# Altium PCB PCB1.PcbDoc (part 1 of 2)
Units mil, origin at the board's own origin, x right, y up, seen from the top; angles counter-clockwise.
Board outline 2320 x 1970 mil, 2 copper layers (Top Layer, Bottom Layer); 95 components, 145 nets, 507 pads, 282 vias.
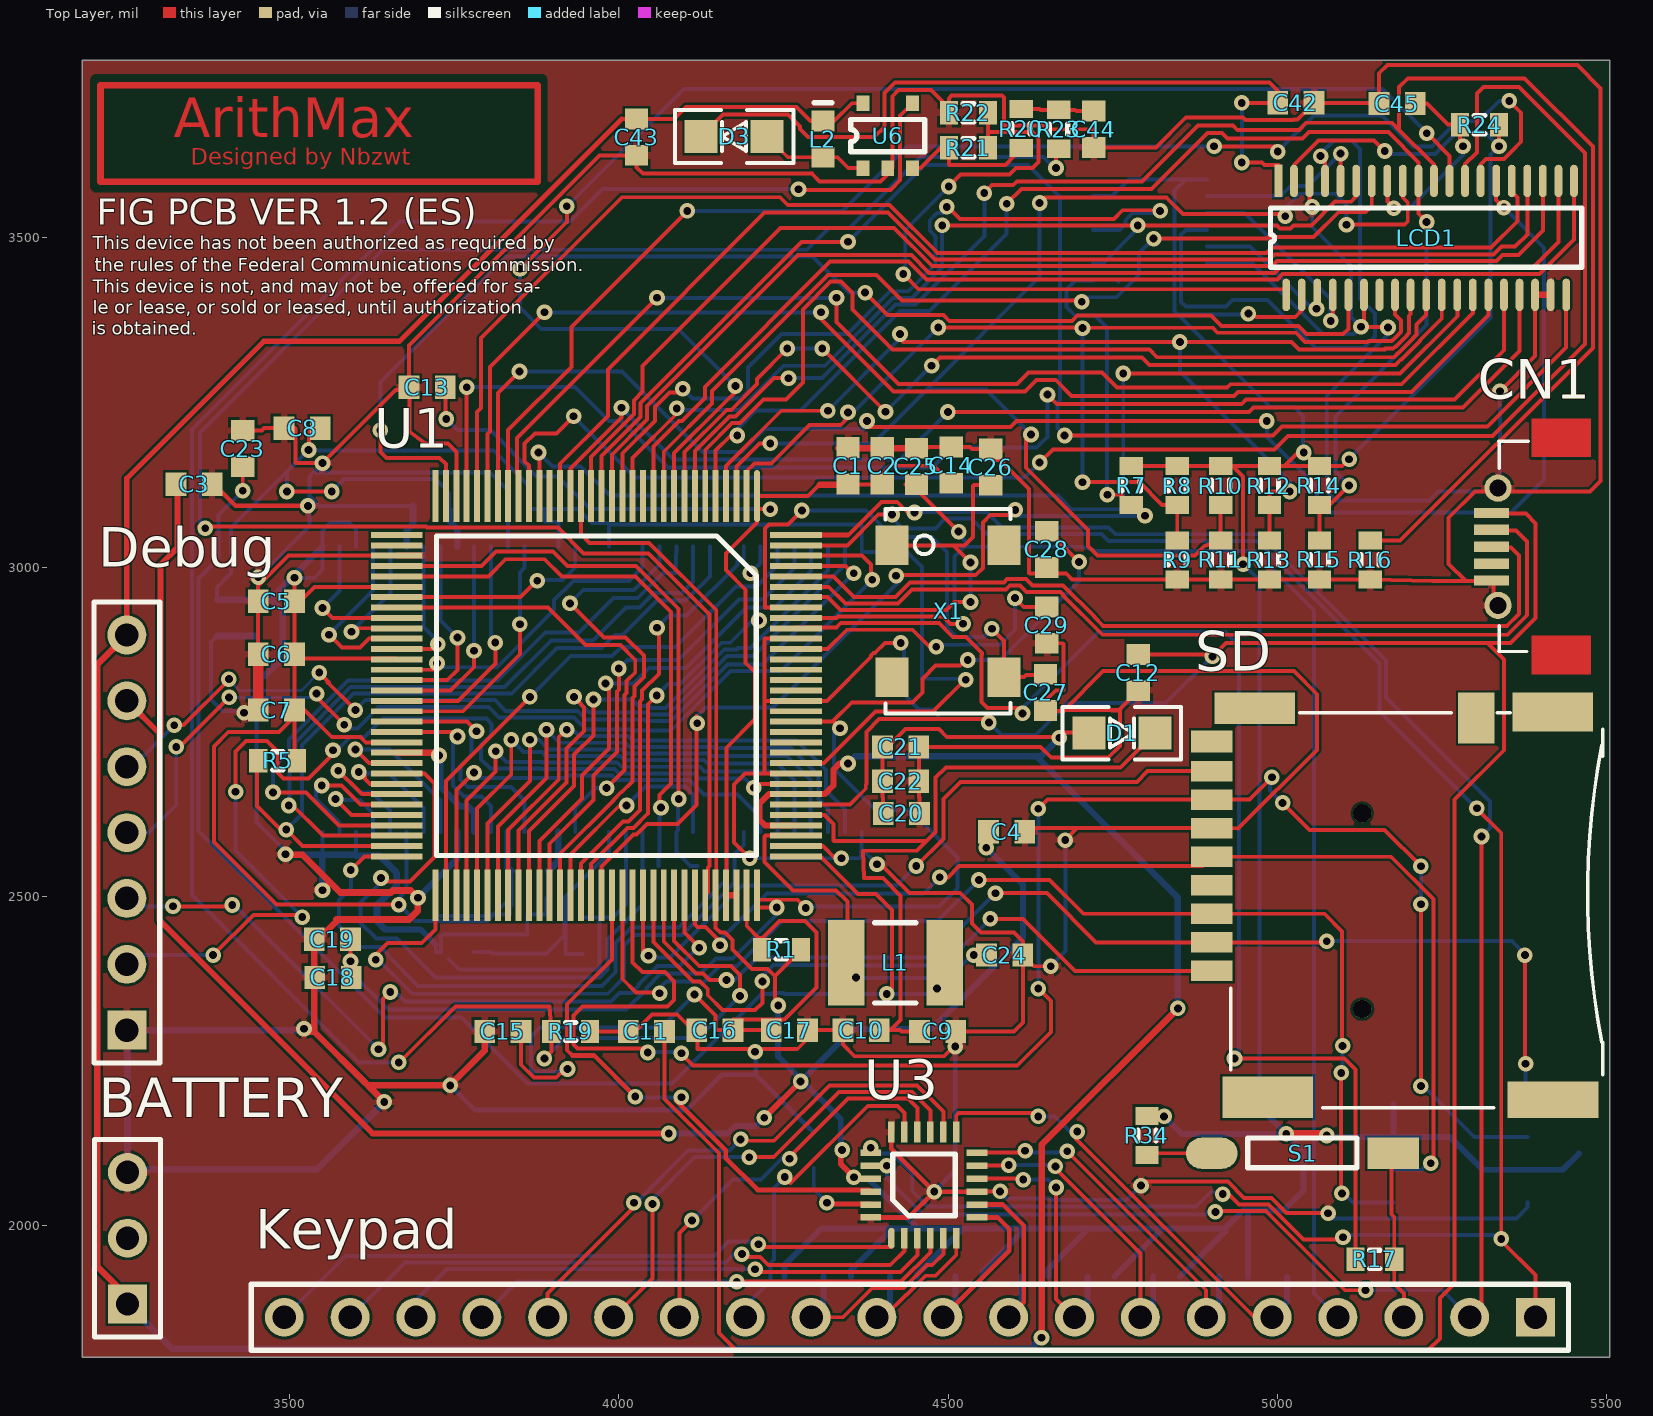
[diagram p0: Top Layer view]
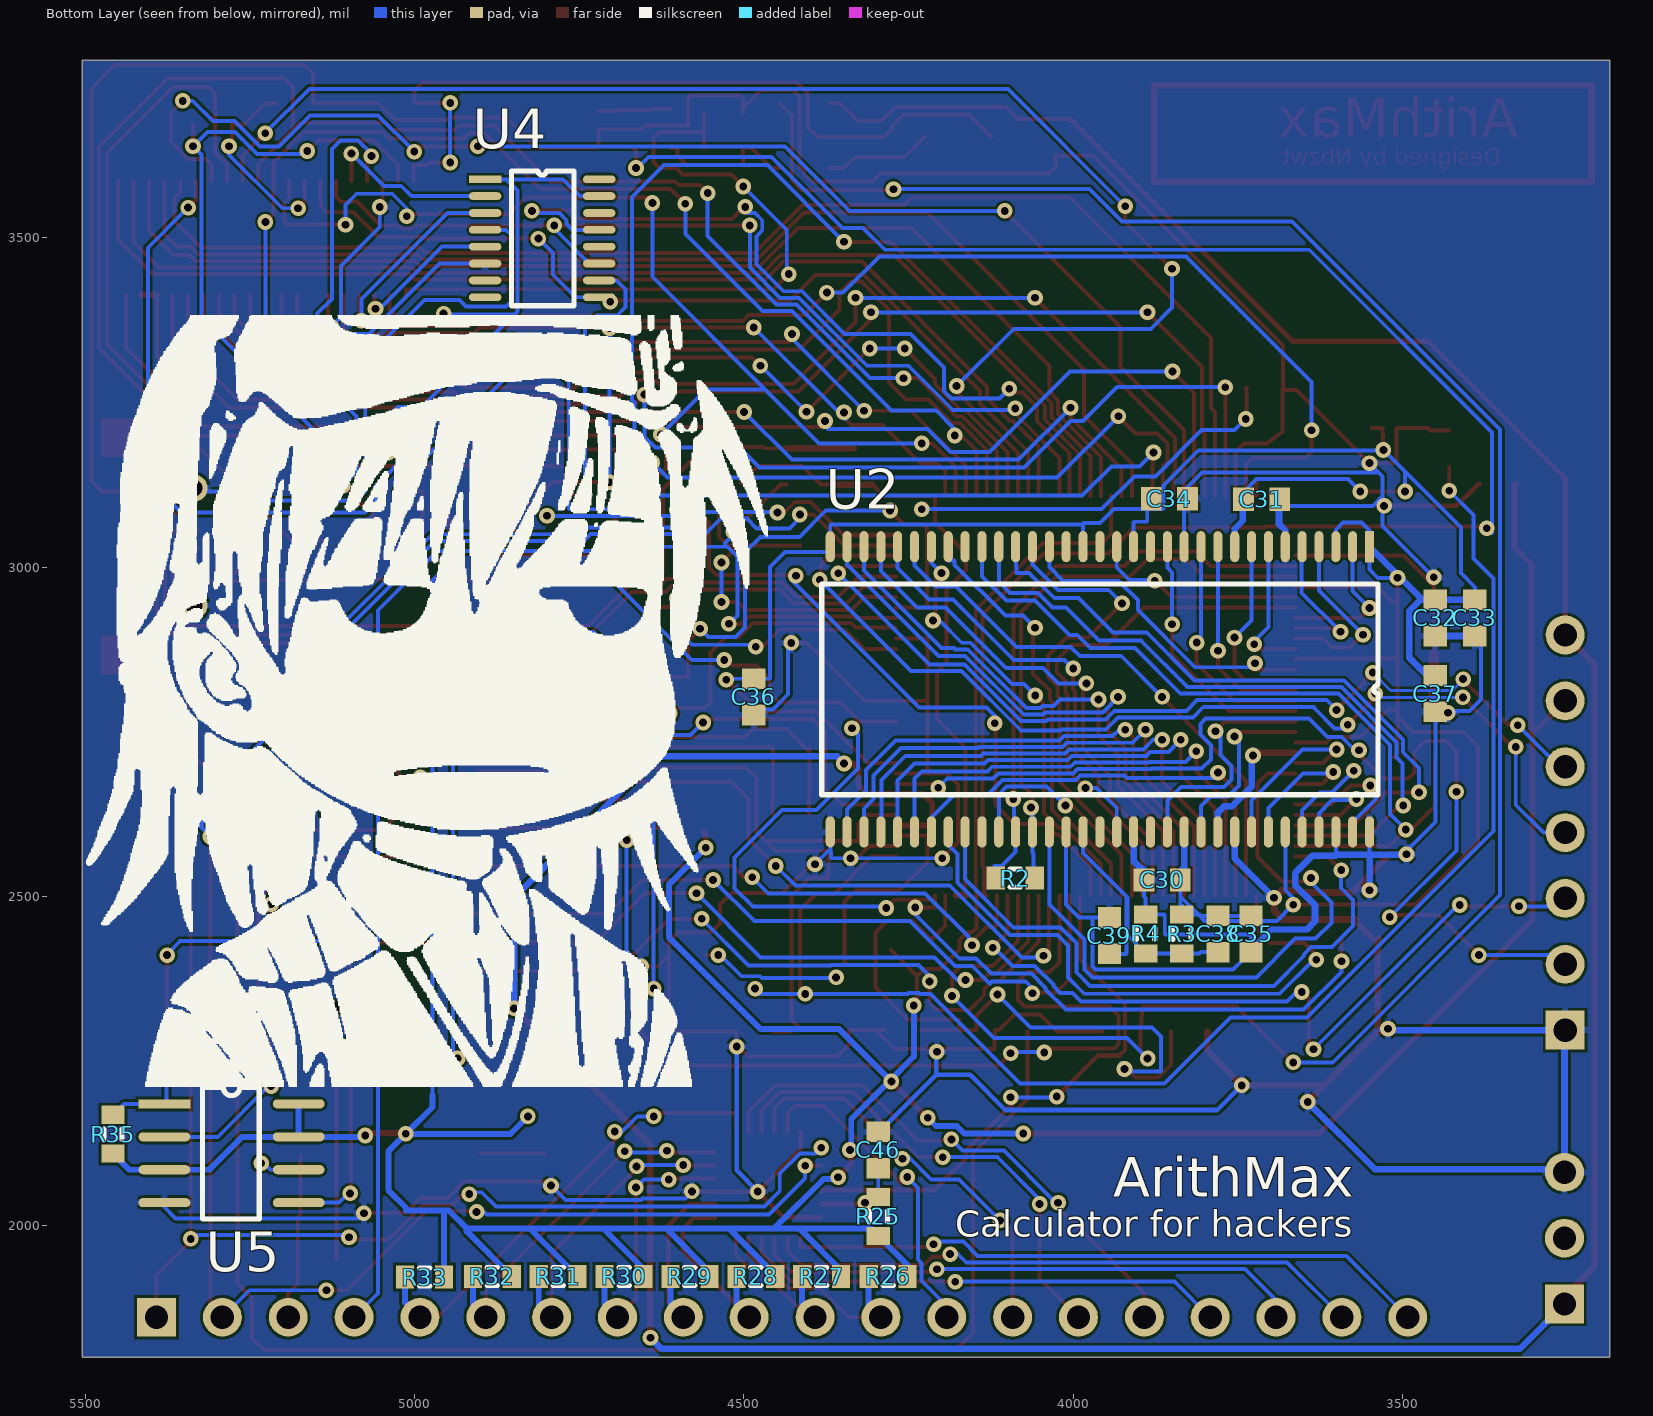
[diagram p1: Bottom Layer view, seen from below]

## Layer stack, top to bottom
Top Layer: signal copper 1.4
Dielectric: dielectric 12.6, FR-4, Dk 4.8
Bottom Layer: signal copper 1.4

## Board outline
5505,3770 5505,1800 3185,1800 3185,3770

## Design rules (kind name [scope] priority, off if disabled: settings)
Clearance [All] p1: gap=4
ComponentClearance [All] p1 off: gap=10 collisioncheckmode=3 verticalgap=10 showdistances=FALSE
HoleSize [All] p1: absolutevalues=TRUE maxlimit=100 minlimit=11.81 maxpercent=80.000 minpercent=20.000
MinimumSolderMaskSliver [All] p1 off: minsoldermaskwidth=10
PolygonConnect [All] p1: connectstyle=Relief reliefconductorwidth=10 reliefentries=4 polygonreliefangle="90 Angle"
RoomDefinition Sheet1 [InComponentClass('Sheet1')] p1: confinementstyle=ConfineIn formatcopy=TRUE lockcomponents=FALSE outline 3185,1800 5505,1800 5505,3770 3185,3770
RoutingVias [All] p1: holewidth=11.81 width=23.62 viastyle="Through Hole" minholewidth=11.81 minwidth=21.26 maxholewidth=28 maxwidth=50
SilkToSilkClearance [All] p1 off: silktosilkclearance=10
SilkscreenOverComponentPads [All] p1: minsilkscreentomaskgap=10
SolderMaskExpansion [All] p1: expansion=3.94
Width [All] p1: maxlimit=15.75 minlimit=4 preferedwidth=7
23 further rules are at their usual default settings.

## Components (designator, comment, footprint, x,y, rotation, side; value= is the part's Value field where it differs from the comment)
BATTERY "Header 3" HDR1X3 3254,1881 r90 top
C1 "22uF" 1608[0603] 4348,3154 r270 top
C2 "22uF" 1608[0603] 4400,3154 r270 top
C3 "22uF" 1608[0603] 3355,3126 r180 top
C4 "22uF" 1608[0603] 4589,2598 r180 top
C5 "22uF" 1608[0603] 3480,2948 r0 top
C6 "100nF" 1608[0603] 3480,2868 r0 top
C7 "100nF" 1608[0603] 3480,2783 r0 top
C8 "22uF" 1608[0603] 3519,3211 r0 top
C9 "22uF" 1608[0603] 4484,2295 r180 top
C10 "22uF" 1608[0603] 4368,2297 r0 top
C11 "22uF" 1608[0603] 4042,2295 r0 top
C12 "100nF" 1608[0603] 4789,2840 r90 top
C13 "22uF" 1608[0603] 3709,3273 r0 top
C14 "100nF" 1608[0603] 4505,3155 r270 top
C15 "22uF" 1608[0603] 3824,2295 r0 top
C16 "100nF" 1608[0603] 4146,2297 r0 top
C17 "22uF" 1608[0603] 4259,2297 r180 top
C18 "22uF" 1608[0603] 3566,2377 r0 top
C19 "100nF" 1608[0603] 3565,2435 r0 top
C20 "22uF" 1608[0603] 4429,2626 r180 top
C21 "22uF" 1608[0603] 4428,2727 r180 top
C22 "22uF" 1608[0603] 4428,2675 r180 top
C23 "10pF" 1608[0603] 3429,3180 r270 top
C24 "10pF" 1608[0603] 4586,2411 r180 top
C25 "100nF" 1608[0603] 4452,3153 r270 top
C26 "33pF" 1608[0603] 4565,3152 r270 top
C27 "33pF" 1608[0603] 4648,2810 r90 top
C28 "100nF" 1608[0603] 4650,3027 r90 top
C29 "1uF" 1608[0603] 4650,2912 r90 top
C30 "100nF" 1608[0603] 3865,2525 r180 bottom
C31 "100nF" 1608[0603] 3714,3103 r0 bottom
C32 "100nF" 1608[0603] 3450,2923 r90 bottom
C33 "100nF" 1608[0603] 3390,2923 r90 bottom
C34 "100nF" 1608[0603] 3854,3104 r0 bottom
C35 "100nF" 1608[0603] 3730,2443 r90 bottom
C36 "100nF" 1608[0603] 4485,2803 r90 bottom
C37 "100nF" 1608[0603] 3450,2808 r90 bottom
C38 "100nF" 1608[0603] 3780,2443 r270 bottom
C39 "100nF" 1608[0603] 3945,2440.44 r270 bottom
C42 "0.22uF" 1608[0603] 5028,3705 r180 top
C43 "4.7uF" 1608[0603] 4027,3653 r90 top
C44 "0.22uF" 1608[0603] 4721,3665 r90 top
C45 "104" 1608[0603] 5182,3704 r0 top
C46 "104" 1608[0603] 4296,2115 r270 bottom
CN1 "MicroUSB-AB" USB-MICRO-AB 5325,3031 r180 top
D1 "1N5819" 0805D 4741,2796 r0 top
D3 "1N5819" 0805D 4198,3606 r180 top
Debug "Header 7" HDR1X7 3253,2297 r90 top
Keypad "Header 20" HDR1X20 5392,1861 r180 top
L1 "22uH/1.5A" INDC4532 4420,2399 r0 top
L2 "47uH" INDC1608L 4310,3650 r270 top
LCD1 "TD028TTEC1" FH23-39S-0.3SHW 5226,3500 r180 top
R1 "0R" J1-0603 4247,2419 r180 top
R2 "120R" J1-0603 4088,2528 r0 bottom
R3 "1K/1%" J1-0603 3835,2443 r90 bottom
R4 "1K/1%" J1-0603 3890,2443 r270 bottom
R5 "10K" J1-0603 3482,2706 r0 top
R7 "47K" J1-0603 4778,3124 r90 top
R8 "47K" J1-0603 4848,3124 r90 top
R9 "47K" J1-0603 4848,3011 r90 top
R10 "47K" J1-0603 4914,3124 r90 top
R11 "47K" J1-0603 4914,3011 r90 top
R12 "47K" J1-0603 4988,3124 r90 top
R13 "47K" J1-0603 4988,3011 r90 top
R14 "47K" J1-0603 5064,3124 r90 top
R15 "47K" J1-0603 5064,3011 r90 top
R16 "47K" J1-0603 5141,3011 r90 top
R17 "1K" J1-0603 5148,1949 r0 top
R19 "10K" J1-0603 3927,2295 r180 top
R20 "3.1K" J1-0603 4611,3666 r270 top
R21 "1K" J1-0603 4531,3637 r0 top
R22 "15R" J1-0603 4531,3690 r0 top
R23 "3.73K" J1-0603 4668,3665 r270 top
R24 "10K" J1-0603 5307,3672 r180 top
R25 "10K" J1-0603 4296,2014 r90 bottom
R26 "100K" J1-0603 4281,1923 r180 bottom
R27 "100K" J1-0603 4382,1923 r180 bottom
R28 "100K" J1-0603 4482,1923 r180 bottom
R29 "100K" J1-0603 4582,1923 r180 bottom
R30 "100K" J1-0603 4682,1923 r180 bottom
R31 "100K" J1-0603 4782,1923 r180 bottom
R32 "100K" J1-0603 4882,1923 r180 bottom
R33 "100K" J1-0603 4985,1922 r180 bottom
R34 "10K" J1-0603 4802,2137 r90 top
R35 "10K" J1-0603 5458,2139 r270 bottom
S1 "SW-PB" REC_KEY 5176,2110 r180 top
SD "MicroSDSlot" MSD(PJS008) 5129,2329 r90 top
U1 "i.MX233" QFP128 4210,3108 r270 top
U2 "HY5DU121622D" TSOP66 3550,3031.07 r270 bottom
U3 "SN7326" QFN24 4414,1981 r90 top
U4 "XPT2046" XPT2046-SOP16 4893,3589 r180 bottom
U5 "W25X64" SOIC8 5380,2185 r180 bottom
U6 "CAT4238" SOT-23-5 4371,3606 r90 top
X1 "XTALS" XTAL_5X7 4500,2933 r270 top

## Footprints (in the part's own frame and the unit in brackets; to place one, negate y for a bottom-side part, rotate by r counter-clockwise, add the part's x,y. Pads: shape width x height; smd on the part's side, far side on the other; paste and mask are expansions set on the pad)
0805D [mil]
  rect 50x50 smd: A(-27,-48) K(73,-48)
  silkscreen extent -67,-88 113,-8
1608[0603] [mm] "Chip Capacitor, Body 1.6x0.8mm, IPC High Density"
  rect 0.8x0.9 smd: 1(-0.7,0) 2(0.7,0)
  body extent -0.87,-0.48 0.87,0.48, height 1.3
FH23-39S-0.3SHW [mm]
  rect 0.3x1.25 smd: 1(5.7,-2.197)
  oval 0.3x1.25 smd: 2(5.4,2.197) 3(5.1,-2.197) 4(4.8,2.197) 5(4.5,-2.197) 6(4.2,2.197) 7(3.9,-2.197) 8(3.6,2.197) 9(3.3,-2.197) 10(3,2.197) 11(2.7,-2.197) 12(2.4,2.197) 13(2.1,-2.197) 14(1.8,2.197) 15(1.5,-2.197) 16(1.2,2.197) 17(0.9,-2.197) 18(0.6,2.197) 19(0.3,-2.197) 20(0,2.197) 21(-0.3,-2.197) 22(-0.6,2.197) 23(-0.9,-2.197) 24(-1.2,2.197) 25(-1.5,-2.197) 26(-1.8,2.197) 27(-2.1,-2.197) 28(-2.4,2.197) 29(-2.7,-2.197) 30(-3,2.197) 31(-3.3,-2.197) 32(-3.6,2.197) 33(-3.9,-2.197) 34(-4.2,2.197) 35(-4.5,-2.197) 36(-4.8,2.197) 37(-5.1,-2.197) 38(-5.4,2.197) 39(-5.7,-2.197)
  silkscreen extent -6,-1.16 6,1.13
HDR1X3 [mm] "Connector; Header; 3 Position"
  rect 1.5x1.5 hole 0.9: 1(0,0)
  round 1.5 hole 0.9: 2(2.54,0) 3(5.08,0)
  silkscreen extent -1.27,-1.27 6.35,1.27
HDR1X7 [mm] "Connector; Header; 7 Position"
  rect 1.5x1.5 hole 0.9: 1(0,0)
  round 1.5 hole 0.9: 2(2.54,0) 3(5.08,0) 4(7.62,0) 5(10.16,0) 6(12.7,0) 7(15.24,0)
  silkscreen extent -1.27,-1.27 16.51,1.27
HDR1X20 [mm] "Connector; Header; 20 Position"
  rect 1.5x1.5 hole 0.9: 1(0,0)
  round 1.5 hole 0.9: 2(2.54,0) 3(5.08,0) 4(7.62,0) 5(10.16,0) 6(12.7,0) 7(15.24,0) 8(17.78,0) 9(20.32,0) 10(22.86,0) 11(25.4,0) 12(27.94,0) 13(30.48,0) 14(33.02,0) 15(35.56,0) 16(38.1,0) 17(40.64,0) 18(43.18,0) 19(45.72,0) 20(48.26,0)
  silkscreen extent -1.27,-1.27 49.53,1.27
INDC1608L [mm] "Chip Inductor, Body 1.6x0.8mm, IPC High Density"
  rect 0.8x0.9 smd: 1(-0.7,0) 2(0.7,0)
  silkscreen extent -1.4,-0.35 -1.4,0.35, body extent -0.87,-0.48 0.87,0.48, height 0.55
INDC4532 [mm] "Chip Inductor, Body 4.5x3.2mm, IPC High Density"
  rect 1.4x3.3 smd: 1(-1.9,0) 2(1.9,0)
  silkscreen extent -0.8,-1.55 0.8,1.55, body extent -2.4,-1.7 2.4,1.7, height 0.55
J1-0603 [mm] "Chip Resistor, Body 1.6x0.8mm, IPC High Density"
  rect 0.7x0.9 smd: 1(-0.75,0) 2(0.75,0)
  silkscreen extent -0.2,-0.35 0.2,0.35, body extent -0.85,-0.48 0.85,0.48, height 0.9
MSD(PJS008) [mm]
  rect 1.4x3.5 smd: 0(-3.503,-7.357)
  rect 1.6x3.5 smd: 0(-3.4,3.65)
  round 0.7 hole 0.7 unplated: 0(0,0) 0(7.55,0)
  rect 1.5x3.1 smd: 0(11.45,-7.35)
  rect 1.2x3.1 smd: 0(11.6,4.15)
  rect 0.8x1.6 smd: 1(1.475,5.8) 2(2.575,5.8) 3(3.675,5.8) 4(4.775,5.8) 5(5.875,5.8) 6(6.975,5.8) 7(8.075,5.8) 8(9.175,5.8)
  rect 0.85x1.6 smd: 9(10.325,5.8)
  rect 1.95x1.4 smd: 10(11.225,-4.4)
  silkscreen extent -3.81,-9.28 11.43,5.08
QFN24 [mm]
  oval 0.8x0.25 smd: 1(0,0)
  rect 0.8x0.25 smd: 2(0,-0.5) 3(0,-1) 4(0,-1.5) 5(0,-2) 6(0,-2.5) 13(4.1,-2.5) 14(4.1,-2) 15(4.1,-1.5) 16(4.1,-1) 17(4.1,-0.5) 18(4.1,0)
  rect 0.25x0.8 smd: 7(0.8,-3.3) 8(1.3,-3.3) 9(1.8,-3.3) 10(2.3,-3.3) 11(2.8,-3.3) 12(3.3,-3.3) 19(3.3,0.8) 20(2.8,0.8) 21(2.3,0.8) 22(1.8,0.8) 23(1.3,0.8) 24(0.8,0.8)
  silkscreen extent 0.86,-2.46 3.25,-0.05
QFP128 [mm]
  oval 2x0.23 smd: 1(0,0)
  rect 2x0.23 smd: 2(0,-0.4) 3(0,-0.8) 4(0,-1.2) 5(0,-1.6) 6(0,-2) 7(0,-2.4) 8(0,-2.8) 9(0,-3.2) 10(0,-3.6) 11(0,-4) 12(0,-4.4) 13(0,-4.8) 14(0,-5.2) 15(0,-5.6) 16(0,-6) 17(0,-6.4) 18(0,-6.8) 19(0,-7.2) 20(0,-7.6) 21(0,-8) 22(0,-8.4) 23(0,-8.8) 24(0,-9.2) 25(0,-9.6) 26(0,-10) 27(0,-10.4) 28(0,-10.8) 29(0,-11.2) 30(0,-11.6) 31(0,-12) 32(0,-12.4) 65(15.4,-12.4) 66(15.4,-12) 67(15.4,-11.6) 68(15.4,-11.2) 69(15.4,-10.8) 70(15.4,-10.4) 71(15.4,-10) 72(15.4,-9.6) 73(15.4,-9.2) 74(15.4,-8.8) 75(15.4,-8.4) 76(15.4,-8) 77(15.4,-7.6) 78(15.4,-7.2) 79(15.4,-6.8) 80(15.4,-6.4) 81(15.4,-6) 82(15.4,-5.6) 83(15.4,-5.2) 84(15.4,-4.8) 85(15.4,-4.4) 86(15.4,-4) 87(15.4,-3.6) 88(15.4,-3.2) 89(15.4,-2.8) 90(15.4,-2.4) 91(15.4,-2) 92(15.4,-1.6) 93(15.4,-1.2) 94(15.4,-0.8) 95(15.4,-0.4) 96(15.4,0)
  rect 0.23x2 smd: 33(1.5,-13.9) 34(1.9,-13.9) 35(2.3,-13.9) 36(2.7,-13.9) 37(3.1,-13.9) 38(3.5,-13.9) 39(3.9,-13.9) 40(4.3,-13.9) 41(4.7,-13.9) 42(5.1,-13.9) 43(5.5,-13.9) 44(5.9,-13.9) 45(6.3,-13.9) 46(6.7,-13.9) 47(7.1,-13.9) 48(7.5,-13.9) 49(7.9,-13.9) 50(8.3,-13.9) 51(8.7,-13.9) 52(9.1,-13.9) 53(9.5,-13.9) 54(9.9,-13.9) 55(10.3,-13.9) 56(10.7,-13.9) 57(11.1,-13.9) 58(11.5,-13.9) 59(11.9,-13.9) 60(12.3,-13.9) 61(12.7,-13.9) 62(13.1,-13.9) 63(13.5,-13.9) 64(13.9,-13.9) 97(13.9,1.5) 98(13.5,1.5) 99(13.1,1.5) 100(12.7,1.5) 101(12.3,1.5) 102(11.9,1.5) 103(11.5,1.5) 104(11.1,1.5) 105(10.7,1.5) 106(10.3,1.5) 107(9.9,1.5) 108(9.5,1.5) 109(9.1,1.5) 110(8.7,1.5) 111(8.3,1.5) 112(7.9,1.5) 113(7.5,1.5) 114(7.1,1.5) 115(6.7,1.5) 116(6.3,1.5) 117(5.9,1.5) 118(5.5,1.5) 119(5.1,1.5) 120(4.7,1.5) 121(4.3,1.5) 122(3.9,1.5) 123(3.5,1.5) 124(3.1,1.5) 125(2.7,1.5) 126(2.3,1.5) 127(1.9,1.5) 128(1.5,1.5)
  silkscreen extent 1.54,-12.36 13.86,-0.04
REC_KEY [mm]
  rect 2x1.2 smd: 1(0,0)
  oval 2x1.2 smd: 2(7,0)
  silkscreen extent 1.4,-0.58 5.61,0.56
SOIC8 [mm]
  rect 2x0.35 smd: 1(0,0)
  oval 2x0.35 smd: 2(0,-1.27) 3(0,-2.54) 4(0,-3.81) 5(5.18,-3.81) 6(5.18,-2.54) 7(5.18,-1.27) 8(5.18,0)
  silkscreen extent 1.47,-4.45 3.66,0.63
SOT-23-5 [mm]
  rect 0.6x0.5 smd: 1(0,0) 2(0,-0.95) 3(0,-1.9) 4(2.5,-1.9) 5(2.5,0)
  silkscreen extent 0.63,-2.38 1.87,0.48
TSOP66 [mm]
  rect 1.2x0.35 smd: 1(0,0)
  oval 1.2x0.35 smd: 2(0,-0.65) 3(0,-1.3) 4(0,-1.95) 5(0,-2.6) 6(0,-3.25) 7(0,-3.9) 8(0,-4.55) 9(0,-5.2) 10(0,-5.85) 11(0,-6.5) 12(0,-7.15) 13(0,-7.8) 14(0,-8.45) 15(0,-9.1) 16(0,-9.75) 17(0,-10.4) 18(0,-11.05) 19(0,-11.7) 20(0,-12.35) 21(0,-13) 22(0,-13.65) 23(0,-14.3) 24(0,-14.95) 25(0,-15.6) 26(0,-16.25) 27(0,-16.9) 28(0,-17.55) 29(0,-18.2) 30(0,-18.85) 31(0,-19.5) 32(0,-20.15) 33(0,-20.8) 34(11,-20.8) 35(11,-20.15) 36(11,-19.5) 37(11,-18.85) 38(11,-18.2) 39(11,-17.55) 40(11,-16.9) 41(11,-16.25) 42(11,-15.6) 43(11,-14.95) 44(11,-14.3) 45(11,-13.65) 46(11,-13) 47(11,-12.35) 48(11,-11.7) 49(11,-11.05) 50(11,-10.4) 51(11,-9.75) 52(11,-9.1) 53(11,-8.45) 54(11,-7.8) 55(11,-7.15) 56(11,-6.5) 57(11,-5.85) 58(11,-5.2) 59(11,-4.55) 60(11,-3.9) 61(11,-3.25) 62(11,-2.6) 63(11,-1.95) 64(11,-1.3) 65(11,-0.65) 66(11,0)
  silkscreen extent 1.43,-21.13 9.57,0.33
USB-MICRO-AB [mm]
  round 1.05 hole 0.65: 0(-0.254,2.261) 0(-0.254,-2.261)
  rect 1.35x0.4 smd: 1(0,-1.3) 2(0,-0.65) 3(0,0) 4(0,0.65) 5(0,1.3)
  Top Layer region: -3.835,3.429 -1.549,3.429 -1.549,4.928 -3.835,4.928
  Top Layer region: -3.835,-4.953 -1.549,-4.953 -1.549,-3.454 -3.835,-3.454
  silkscreen extent -1.42,-4.06 -0.28,4.04
XPT2046-SOP16 [mm]
  rect 1.25x0.3 smd: 1(0,0)
  oval 1.25x0.3 smd: 2(0,-0.65) 3(0,-1.3) 4(0,-1.95) 5(0,-2.6) 6(0,-3.25) 7(0,-3.9) 8(0,-4.55) 9(4.4,-4.55) 10(4.4,-3.9) 11(4.4,-3.25) 12(4.4,-2.6) 13(4.4,-1.95) 14(4.4,-1.3) 15(4.4,-0.65) 16(4.4,0)
  silkscreen extent 1.02,-4.88 3.43,0.33
XTAL_5X7 [mil]
  rect 60x50 smd: 1(-100,-85) 2(100,-85) 3(100,85) 4(-100,85)
  silkscreen extent -155,-95 155,95

## Part data
BATTERY: "Header, 3-Pin"
C1 C2 C3 C4 C5 C6 C7 C8 C9 C10 C11 C12 C13 C14 C15 C16 C17 C18 C19 C20 C21 C22 C23 C24 C25 C26 C27 C28 C29 C30 C31 C32 C33 C34 C35 C36 C37 C38 C39 C42 C43 C44 C45 C46: library part "Cap Semi", "Capacitor (Semiconductor SIM Model)"
D1 D3: "Schottky Diode"
Debug: "Header, 7-Pin"
Keypad: "Header, 20-Pin"
L1 L2: library part Inductor, "Inductor"
R1 R2 R3 R4 R5 R7 R8 R9 R10 R11 R12 R13 R14 R15 R16 R17 R19 R20 R21 R22 R23 R24 R25 R26 R27 R28 R29 R30 R31 R32 R33 R34 R35: library part Res3, "Resistor"
S1: "Switch"

## Via types
v1: diameter 23.81, hole 11.81, Top Layer to Bottom Layer, tented both sides, 184 vias
v2: diameter 23.62, hole 11.81, Top Layer to Bottom Layer, tented both sides, 98 vias

## Nets (pads, with @x,y where several pads share a name; then routed paths per layer and width w, separated by ;. In a path a pad name is that pad's centre, name@x,y a point inside that pad or via, vN(x,y) a via of type N, cw(c..) or ccw(c..) an arc to the next point about the centre after c; other vN are vias at no path point)
2.5V: C5.2 C6.2 C7.2 C8.2 C30.2 C31.2 C32.2 C33.2 C34.2 C35.2 C36.2 C37.2 C38.1 R3.2 R5.2 U1.38 U1.45 U1.53 U1.106 U2.1 U2.3 U2.9 U2.15 U2.18 U2.33 U2.55 U2.61 | length 4896.1
  Top Layer w6: v1(3496,3115) v1(3564,3115) ; v1(3507.56,2983.82) C5.2@3507.56,2948 ; R5.2@3512.53,2712 3507.56,2716.97 C7.2@3507.56,2783 ; v1@3530,3179 v1(3529,3178) 3530.5,3211 C8.2@3546.56,3211 ; U1.53@3662.76,2733.98 3615.75,2733.98 3607.83,2741.91 3564.09,2741.91 3523,2783 C7.2@3507.56,2783 ; U1.45@3662.76,2859.97 3661.73,2860.99 C6.2@3507.56,2860.99 ; U1.38@3662.76,2970.2 3538.2,2970.2 3516,2948 C5.2@3507.56,2948 ; v1(3665.98,2487.5) 3480.5,2487.5 3385,2583 3385,2728 3406.97,2749.97 3483.97,2749.97 3507.56,2773.56 C7.2@3507.56,2783 ; U1.106@4269.06,2702.49 4311.56,2702.49 4390.07,2781 4477.44,2781 4527,2830.56 v1(4527,2829) ; C7.2@3507.56,2783 C6.2@3507.56,2860.99 ; C6.2@3507.56,2860.99 C6.2@3507.56,2868 C5.2@3507.56,2948
  Bottom Layer w6: C33.2@3390,2950.56 3390,2969.52 3411.44,2990.96 3411.44,3060.44 3496,3145 ; v1(3496,3115) 3496,3145 ; v1(3507.56,2983.82) 3537.5,2983.82 3550,2996.32 U2.1@3550,3031.07 3550,3055.5 3562.5,3068 3590,3068 3601.18,3056.82 U2.3@3601.18,3031.07 ; v1(3564,3115) 3582,3133 3582,3134 3721.56,3134 3742.56,3113 C31.2@3742.56,3088 ; U2.61@3677.95,2598 3677.95,2509.95 3666.72,2498.72 3666.72,2488.24 v1(3665.98,2487.5) 3690.48,2463 3800.47,2463 3810,2472.53 ; C35.2@3730,2470.56 C38.1@3780,2470.56 3806,2470.56 3807.97,2472.53 3810,2472.53 ; C30.2@3837.44,2538 C30.2@3837.44,2525 3837.44,2499.97 ; U2.15@3908.27,3031.07 3908.27,3068 3907.27,3069 3888.56,3069 3887.56,3070 C34.2@3887.56,3088 ; U2.18@3985.04,3031.07 3985.04,3064 ; v1(4527,2829) 4527,2830.56 C36.2@4485,2830.56 4461.9,2830.56 4460.46,2832 4460.46,3000.29 4437.5,3023.25 4368.9,3023.25 U2.33@4368.9,3031.07 4368.9,3064.05 4367.95,3065 3986.04,3065 3985.04,3064 ; 3496,3145 3527.91,3176.91 3810.09,3176.91 3863,3124 3863,3089 3864,3088 C34.2@3887.56,3088 ; 3810,2472.53 3837.44,2499.97 ; 3810,2472.53 R3.2@3835,2472.53 3835,2486 3837.44,2486 3837.44,2499.97 ; C34.2@3887.56,3088 3938,3088 3959,3067 3984.04,3067 3985.04,3066 3985.04,3064
  Bottom Layer w10: C33.2@3390,2950.56 C32.2@3450,2950.56 3469.49,2950.56 ; C37.2@3450,2835.56 3462.56,2835.56 3490,2863 3490,2933 3472.44,2950.56 3469.49,2950.56 ; U2.1@3550,3031.07 3469.49,2950.56 ; C31.2@3742.56,3088 3742.56,3070.44 3754.72,3058.28 U2.9@3754.72,3031.07 ; U2.55@3831.5,2598 3831.5,2543.94 C30.2@3837.44,2538
3.3V: C3.2 C4.2 Debug.6 LCD1.3 LCD1.4 R1.1 R7.2 R8.2 R10.2 R12.2 R14.2 R24.1 R25.1 R26.2 R27.2 R28.2 R29.2 R30.2 R31.2 R32.2 R33.2 R34.2 R35.2 U1.18 U1.92 U3.21 U4.1 U4.15 U5.3 U5.7 U5.8 | length 9688.6
  Top Layer w6: U1.18@3942.28,3108 3942.28,3050 3955.28,3037 4045.96,3037 4148,2934.96 4148,2502.69 U1.92@4147.01,2501.7 4147.01,2452.18 4154.24,2444.94 4161.46,2444.94 4172.54,2433.87 4172.54,2419.46 4202.09,2389.91 4225.83,2389.91 4236.91,2378.83 ; v1(4242,2334.5) 4236.91,2339.59 4236.91,2378.83 ; R1.1@4276.53,2419 4236.91,2379.38 4236.91,2378.83 ; R7.2@4778,3153.53 R8.2@4848,3153.53 R10.2@4914,3153.53 4931.97,3153.53 ; v1(4948,3004.5) 4948,3137.5 4931.97,3153.53 ; v1@4955,3393 4967.83,3380.17 5027.17,3380.17 5038,3391 5038,3412.53 LCD1.4@5037.03,3413.5 ; LCD1.3@5025.21,3586.5 5025.21,3611 5062.25,3648.04 5147,3648.04 v1(5163.04,3632) ; v1@5039,3182 5010.53,3153.53 ; v1(5109,3164) 5098.53,3153.53 R14.2@5064,3153.53 5010.53,3153.53 ; v1(5336.53,3639) R24.1@5336.53,3672 ; 4931.97,3153.53 R12.2@4988,3153.53 5010.53,3153.53
  Top Layer w9: Debug.6@3253,2797 3304,2746 ; C3.2@3327.44,3126 3329.59,3123.85 3329.59,3029.55 3304,3003.95 3304,2746 ; v2(4076,2140) 3626.28,2140 3302.59,2463.68 3302.59,2744.59 3304,2746 ; v2(4221,2164) v2(4276,2219) ; v2(4339,2115) 4337,2113 4337,2093.71 v2(4357.09,2073.62) ; v2(4558,2574) 4558,2594.56 C4.2@4561.44,2598 ; v2(5013.47,2139.53) 5014.94,2141 5071,2141 v2(5075,2137)
  Bottom Layer w6: U4.15@4719.77,3563.41 4749,3563.41 4774.59,3589 4861,3589 ; U4.1@4893,3589 4861,3589 ; v1(4948,3004.5) 4973,2979.5 4973,2198 ; v1@4955,3393 4945.51,3383.51 4848.99,3383.51 ; v1@5039,3182 5039,3229.57 5025,3243.57 4988.93,3243.57 4848.99,3383.51 ; v1(5109,3164) 5323.96,3378.96 5323.96,3626.44 v1(5336.53,3639) 5314.53,3661 5273,3661 5239.24,3627.24 5167.8,3627.24 v1(5163.04,3632) ; 4847,3385.5 4844,3388.5 4844,3572 4861,3589 ; 4847,3385.5 4848.99,3383.51 ; 4847,3385.5 4847,3384.51 4848,3383.51 4848.99,3383.51
  Bottom Layer w9: v2(4076,2140) 4165.28,2140 4176.59,2151.31 4208.31,2151.31 v2(4221,2164) ; v1(4242,2334.5) 4242,2257 v2@4278,2221 ; R26.2@4251.47,1923 4251.47,1939.94 R25.1@4296,1984.47 4307.53,1996 4416,1996 ; v2(4276,2219) v2@4278,2221 ; v2(4339,2115) 4337,2117 4337,2162 v2@4278,2221 ; R27.2@4352.47,1923 4352.47,1932.47 4416,1996 ; v2(4357.09,2073.62) 4359.71,2071 4379,2071 4454,1996 ; R28.2@4452.47,1923 4452.47,1925.47 4523,1996 ; R29.2@4552.47,1923 4552.47,1930.47 4618,1996 ; v2(4558,2574) 4614,2518 4614,2438 4475,2299 4356,2299 v2@4278,2221 ; R30.2@4652.47,1923 4652.47,1934.47 4714,1996 ; R31.2@4752.47,1923 4824,1994.53 4824,1996 ; v2(4828,2166) 4854.47,2139.53 v2(5013.47,2139.53) ; R32.2@4852.47,1923 4921,1991.53 4921,1996 ; R33.2@4955.47,1922 4955.47,2023 ; 4973,2198 4973,2180 v2(5013.47,2139.53) ; v2(5075,2137) 5073,2135 U5.7@5176.06,2135 ; U5.8@5176.06,2185 U5.7@5176.06,2135 ; R35.2@5458,2109.47 5433.53,2085 U5.3@5380,2085 5312,2085 5262,2135 U5.7@5176.06,2135 ; 4416,1996 4454,1996 ; 4454,1996 4523,1996 ; 4523,1996 4618,1996 ; 4618,1996 4714,1996 ; 4714,1996 4824,1996 ; 4824,1996 4921,1996 ; 4921,1996 4948,2023 4955.47,2023 ; 4955.47,2023 5013,2023 5013,2027 5040,2054 5040,2113 v2(5013.47,2139.53)
  other v1: 5040,3174 4956,3385
5VEXT: C11.2 C12.2 CN1.1 U1.102 | length 4349.7
  Top Layer w6: C11.2@4069.56,2295 4069.56,2192.44 4152,2110 4152,1837 4177.91,1811.09 5229.09,1811.09 5247,1829 5247,1890 5269,1912 5269,2647 5344,2722 5344,2860 5319,2885 ; U1.102@4269.06,2639.5 4351,2639.5 4375,2663.5 4375,2669.56 4376,2670.56 4376,2750 4395.28,2769.28 4556.72,2769.28 v1(4562,2764) ; C12.2@4789,2867.56 4898.44,2867.56 v1(4901.5,2864.5) 4922,2885 5319,2885 ; CN1.1@5328,3081.18 5377.32,3081.18 5392,3066.5 5392,2923 5354,2885 5319,2885
  Bottom Layer w6: v1(4562,2764) 4580.91,2745.09 4633.09,2745.09 4681.55,2793.55 4830.55,2793.55 v1(4901.5,2864.5)
BAT: BATTERY.1 C20.2 C21.2 C22.2 C43.2 D1.A Debug.7 L2.1 U1.100 U1.103 U6.5 | length 6177.1
  Top Layer w6: 4004.56,3680.56 C43.2@4027,3680.56 4083.56,3680.56 4101.95,3698.95 4269.95,3698.95 4291.34,3677.56 L2.1@4310,3677.56 4327,3677.56 4353.87,3704.43 U6.5@4371,3704.43 ; 4335.47,2702 v1(4348,2702) ; C21.2@4400.44,2727 C21.2@4400.44,2718.98 ; C20.2@4401.44,2626 4401.44,2650 4400.44,2651 C22.2@4400.44,2675 C21.2@4400.44,2718.98 ; D1.A@4715,2749 4670,2749 4663,2742 4498.03,2742 4486.06,2753.96 4435.43,2753.96 C21.2@4400.44,2718.98
  Top Layer w8: Debug.7@3253,2897 3253,3135 3461,3343 3667,3343 4004.56,3680.56
  Top Layer w9: U1.100@4269.06,2608 4222,2608 4214,2616 4214,2641.38 4227.86,2655.24 U1.103@4269.06,2655.24 4312.5,2655.24 4326,2668.74 4326,2692.53 4335.47,2702
  Top Layer w10: Debug.7@3253,2897 3208,2852 3208,1938 3254,1892 BATTERY.1@3254,1881 ; v1(4642,1830) 4642,2123 v1(4849,2330)
  Bottom Layer w6: v1(4348,2702) 4358,2712
  Bottom Layer w10: BATTERY.1@3254,1881 3322,1813 4625,1813 v1(4642,1830) ; 4358,2712 4358,2713 4634,2713 ; v1(4669,2741) 4641,2713 4634,2713 ; v1(4849,2330) 4849,2498 4634,2713
BLPWN: R23.2 U1.91 | length 2926.9
  Top Layer w6: v1@3362.5,3062.04 3706.96,3062.04 3709,3060 3907.48,3060 3946.48,3021 4045.3,3021 4138,2928.3 4138,2546.49 4135.48,2543.97 4135.48,2505.92 U1.91@4131.26,2501.7 ; v1(4664,3606) 4664,3635.47 R23.2@4668,3635.47
  Bottom Layer w6: v1@3363.76,3051.76 3363.76,3204.18 3641.58,3482 4286,3482 4319,3515 4350,3515 4458,3623 4645,3623 4662,3606 v1(4664,3606)
  other v1: 3372,3059
DCDC_VDDD: C1.2 C2.2 C13.2 C14.2 U1.1 U1.93 U1.94 | length 1604.6
  Top Layer w6: v1@3736.56,3225 C13.2@3736.56,3273 ; U1.93@4163.28,2516.93 4163.28,2725.77 4206.76,2769.26 4206.76,2840.51 4192.73,2854.55 4192.73,2965.27 4162.5,2995.5 4162.5,3020.5 4210,3068 U1.1@4210,3088 ; v1(4230,3088) U1.1@4210,3088 ; 4305,3125.44 4287.56,3108 U1.1@4210,3108 U1.1@4210,3088 ; C1.2@4360,3125.44 4383,3125.44 4411.56,3154 4478.44,3154 C14.2@4505,3127.44
  Top Layer w10: U1.93@4162.76,2501.7 U1.94@4178.5,2501.7 ; 4305,3125.44 C1.2@4360,3125.44
  Bottom Layer w6: v1(3738,3225) 3755,3208 3804.96,3208 3874.96,3138 3907,3138 3957,3088 v1(4230,3088)
DEBUG: Debug.3 U1.89 | length 1176.1
  Top Layer w6: v1(3323,2485) 3415,2485 v1(3413,2487) ; v1@3632,2264 v1@3635,2267 ; v1(3635,2268) v1@3635,2267 ; v1(3653,2355) 3642,2344 3642,2274 v1@3635,2267 ; U1.89@4099.76,2501.7 4099.76,2445.24 v1@4116,2429
  Bottom Layer w6: Debug.3@3253,2497 3265,2485 v1(3323,2485) ; v1(3413,2487) 3416,2487 v1(3635,2268) ; v1(3653,2355) 3661,2355 3675.47,2340.53 3988.11,2340.53 4000.93,2353.35 4019.77,2353.35 4030.24,2363.82 4030.24,2366.16 4058.57,2394.48 4092.48,2394.48 4116,2418 v1@4116,2429
  other v1: 4122,2422
DUART_RX: Debug.5 U1.125 | length 1416
  Top Layer w6: v2@3320,2760 v2(3325,2760) 3339,2760 3408,2829 v2(3408,2830) ; v2(3545,2840) 3560,2825 3558,2825 v2(3600,2783) ; U1.125@4269.06,3001.7 4344.3,3001.7 4355.19,2990.81 v2(4356.91,2990.81)
  Bottom Layer w4: v2(3408,2830) 3408,2829 3424.19,2812.81 3517.81,2812.81 v2(3545,2840)
  Bottom Layer w6: Debug.5@3253,2697 3262,2697 v2(3325,2760) ; v2(3600,2783) 3615,2798 3812,2798 3828.09,2781.91 3937.64,2781.91 3950.54,2769 4038.52,2769 4041.42,2766.09 4079.24,2766.09 4165.14,2852 4218.1,2852 v2(4356.91,2990.81)
DUART_TX: Debug.4 U1.126 | length 1563.7
  Top Layer w6: v2(3328,2727) 3333,2727 v2(3408.19,2802.19) ; v2(3541,2808) 3542,2807 3542,2801.94 v2(3583.22,2760.72) ; U1.126@4269.06,3017.45 4369.55,3017.45 4383,3004 4383,2983 v2(4385,2981)
  Bottom Layer w4: v2(3408.19,2802.19) 3471.62,2802.19 3471.81,2802 v2@3535,2802
  Bottom Layer w6: Debug.4@3253,2597 3286,2597 3328,2639 v2(3328,2727) ; v2@3535,2802 v2(3541,2808) ; v2(3583.22,2760.72) 3588.94,2755 3603,2755 3634,2786 3634,2788 3802,2788 3818.09,2771.91 3932.09,2771.91 3950.59,2753.41 4018.33,2753.41 4019.41,2752.32 4079.61,2752.32 4169.28,2842 4246,2842 v2(4385,2981)
EMI_A00: U1.76 U2.29 | length 750.1
  Top Layer w6: U1.76@3895.04,2501.7 3895.04,2580.04 3961.46,2646.46 3961.46,2683.5 3997.1,2719.14 3997.1,2810.89 4000.04,2813.82 4000.04,2827.62 4000,2827.65 v1(4000,2846)
  Bottom Layer w6: v1(4000,2846) 4013,2859 4090.24,2859 4182.24,2951 4219,2951 4266.54,2998.54 U2.29@4266.54,3031.07
EMI_A01: U1.75 U2.30 | length 787.7
  Top Layer w6: U1.75@3879.29,2501.7 3879.29,2584.24 3944.01,2648.96 3944.01,2683.36 3985.38,2724.73 3985.38,2818.12 v1(3980,2823.5)
  Bottom Layer w6: v1(3980,2823.5) 4022.5,2823.5 4046,2847 4101.96,2847 4194,2939.04 4237.04,2939.04 4292.13,2994.13 U2.30@4292.13,3031.07
EMI_A02: U1.74 U2.31 | length 822.2
  Top Layer w6: U1.74@3863.54,2501.7 3863.54,2599.2 3932.29,2667.95 3932.29,2715.29 3961.5,2744.5 v1(3961.5,2799)
  Bottom Layer w6: v1(3961.5,2799) 4019.96,2799 4029.96,2789 4046.8,2789 4049.71,2786.09 4070.95,2786.09 4160.11,2875.26 4179.26,2875.26 4181.19,2877.19 4200.11,2877.19 4317.72,2994.8 U2.31@4317.72,3031.07
EMI_A03: U1.73 U2.32 | length 881.7
  Top Layer w6: U1.73@3847.8,2501.7 3847.8,2600.04 3920.56,2672.8 3920.56,2724.56 3947,2751 3947,2786.76 3942.59,2791.17 3942.59,2792.41 v1@3940.25,2794.75
  Bottom Layer w6: v1(3932,2803) 3942.59,2792.41 3942.59,2791.17 3953.67,2780.09 3954.91,2780.09 3956,2779 4042.66,2779 4045.56,2776.09 4075.09,2776.09 4164.26,2865.26 4204.76,2865.26 4343.31,3003.81 U2.32@4343.31,3031.07
EMI_A04: U1.72 U2.35 | length 814.2
  Top Layer w6: U1.72@3832.05,2501.7 3832.05,2600.87 3908.83,2677.66 3908.83,2741.83 v1@3921.09,2754.09
  Bottom Layer w6: v1(3921,2753) 3930.41,2753 3940.01,2743.41 4014.18,2743.41 4020.69,2736.9 4054.17,2736.9 4127.83,2736.91 4269.99,2736.9 4314.86,2692.03 4314.86,2660.69 4343.31,2632.25 U2.35@4343.31,2598
EMI_A05: U1.71 U2.36 | length 815.3
  Top Layer w6: U1.71@3816.3,2501.7 3816.3,2605.95 3890.17,2679.81 v1(3890.17,2753)
  Bottom Layer w6: v1(3890.17,2753) 3909.76,2733.41 4010.04,2733.41 4016.55,2726.9 4058.31,2726.9 4123.68,2726.91 4142.84,2726.9 4144.57,2725.17 4261.59,2725.17 4303.13,2683.63 4303.13,2647.7 4317.72,2633.11 U2.36@4317.72,2598
EMI_A06: U1.70 U2.37 | length 793.7
  Top Layer w6: U1.70@3800.55,2501.7 3800.55,2611.02 3865,2675.47 v1(3865,2738)
  Bottom Layer w6: v1(3865,2738) 3878.43,2738 3893.02,2723.41 4005.9,2723.41 4012.41,2716.9 4062.45,2716.9 4119.54,2716.91 4136.26,2716.9 4139.71,2713.45 4255.02,2713.45 4291.41,2677.06 4291.41,2623.1 U2.37@4292.13,2598
EMI_A07: U1.69 U2.38 | length 791.4
  Top Layer w6: U1.69@3784.8,2501.7 3784.8,2633.4 3836.65,2685.25 v1(3836.65,2738)
  Bottom Layer w6: v1(3836.65,2738) 3855.56,2719.09 3883.19,2719.09 3888.88,2713.41 4001.76,2713.41 4008.27,2706.9 4066.59,2706.9 4115.4,2706.91 4129.68,2706.9 4134.86,2701.72 4240.99,2701.72 4266.54,2676.18 U2.38@4266.54,2598
EMI_A08: U1.68 U2.39 | length 763.2
  Top Layer w6: U1.68@3769.06,2501.7 3769.06,2646 3813,2689.94 v1(3813,2720.5)
  Bottom Layer w6: v1(3813,2720.5) 3829.5,2704 3884.15,2704 3884.74,2703.41 3997.62,2703.41 4004.12,2696.9 4070.73,2696.9 4111.26,2696.91 4123.1,2696.9 4130,2690 4230,2690 4240.95,2679.05 U2.39@4240.95,2598
EMI_A09: U1.67 U2.40 | length 685.5
  Top Layer w6: U1.67@3753.31,2501.7 3753.31,2661.31 v1(3780,2688)
  Bottom Layer w6: v1(3780,2688) 3788,2680 3918.56,2680 3921.97,2683.41 3989.33,2683.41 3995.84,2676.9 4079.02,2676.9 ; 4079.03,2676.91 4102.97,2676.91 ; 4102.98,2676.9 4107.68,2676.9 4129.58,2655 4180,2655 4215.36,2619.64 U2.40@4215.36,2598
EMI_A10: U1.66 U2.28 | length 841.1
  Top Layer w6: U1.66@3737.56,2501.7 3737.56,2675.56 v1(3865,2803)
  Bottom Layer w6: v1(3865,2803) 3927,2865 3989.96,2865 4004.03,2879.07 4086.09,2879.07 4177.85,2970.83 4209.1,2970.83 4240.95,3002.67 U2.28@4240.95,3031.07
EMI_A11: U1.65 U2.41 | length 939
  Top Layer w6: v1(3631,2404) 3624,2404 3649,2429 3700.81,2429 3721.81,2450 U1.65@3721.81,2501.7
  Bottom Layer w6: v1(3631,2404) 3624,2404 3623,2403 3636,2403 3686.75,2352.25 3983.25,2352.25 4008,2377 4008,2425.46 4023.82,2441.27 4096.27,2441.27 4176,2521 4176,2564.23 4189.77,2578 U2.41@4189.77,2598
EMI_A12: U1.64 U2.42 | length 964
  Top Layer w6: v1(3593,2540) 3613.76,2560.76 U1.64@3662.76,2560.76
  Bottom Layer w6: v1(3593,2540) 3593,2512.76 3575,2494.76 3575,2455.2 3607.17,2423.04 3638.7,2423.04 3649.91,2411.83 3649.91,2409.35 3695.28,2363.98 3974.35,2363.98 3995.29,2384.92 3995.29,2429.33 4018.96,2453 4091,2453 4164.17,2526.17 U2.42@4164.17,2598
EMI_BA0: U1.79 U2.26 | length 660.6
  Top Layer w6: U1.79@3942.28,2501.7 3942.28,2549.83 4006.45,2614 4015,2614 4032.28,2631.28 4032.28,2796.32 4035.46,2799.5 4035.46,2812.46 4061,2838 4061,2906 4059,2908 v1(4058,2908)
  Bottom Layer w6: v1(4058,2908) 4076.5,2926.5 4103,2926.5 4180,3003.5 4180,3009 4181,3010 4189.77,3010 U2.26@4189.77,3031.07
EMI_BA1: U1.80 U2.27 | length 665.7
  Top Layer w6: U1.80@3958.03,2501.7 3958.03,2549 4013.03,2604 4022,2604 4044,2626 4044,2791.46 v1@4050.04,2797.5 ; v1(4200,2991) 4209,2982 4209,2927 4213,2923 v1(4213,2919)
  Bottom Layer w6: v1(4057.54,2805) 4075.04,2822.5 4093.22,2822.5 4155.97,2885.26 4169.26,2885.26 4203,2919 v1(4213,2919) ; v1(4200,2991) 4215.36,3006.36 U2.27@4215.36,3031.07
EMI_CASN: U1.61 U2.22 | length 1030.9
  Top Layer w6: v1(3475,2658) 3525,2658 3575,2608 U1.61@3662.76,2608
  Bottom Layer w6: v1(3475,2658) 3475,2695 3498.92,2718.92 3498.92,2738.2 3588.72,2828 3815.82,2828 3888.29,2900.46 3939.6,2900.46 3992.03,2952.9 4028.73,2952.9 4066.84,2991 4086.4,2991 U2.22@4087.4,3031.07
EMI_CKE: U1.78 U2.44 | length 349.1
  Top Layer w6: U1.78@3926.54,2501.7 3926.89,2537.92 3926.89,2563.89 v1@4006,2643
  Bottom Layer w6: v1(4011.83,2638.16) 4040.57,2666.9 4083.16,2666.9 4098.83,2666.91 4101.1,2666.9 4112.99,2655.01 U2.44@4112.99,2598
EMI_CLK: R2.2 U1.36 U2.45 | length 884.8
  Top Layer w6: U1.36@3662.76,3001.7 3791.56,3001.7 3813.58,3023.72 3900,3023.72 3922.02,3001.7 4025.88,3001.7 4090.72,2936.86 4090.72,2638.72 v1@4090,2638
  Bottom Layer w6: v1@4090,2638 4090,2600.6 U2.45@4087.4,2598 4087.4,2567.6 4109,2546 4119.53,2546
  other v1: 4091,2648
EMI_CLKN: R2.1 U1.37 U2.46 | length 862.3
  Top Layer w6: U1.37@3662.76,2985.95 3802.24,2985.95 3828.28,3011.99 3887.5,3011.99 3913.54,2985.95 4025.05,2985.95 4079,2932 4079,2671.3 4061.81,2654.11 v1@4061.81,2633 ; v1(4064.04,2634.88) 4065.16,2636 v1@4069,2636
  Bottom Layer w6: 4060.47,2546 4060.47,2564.66 4061.81,2566 U2.46@4061.81,2598 4061.81,2633 4063.69,2634.88 v1(4064.04,2634.88)
EMI_CS0: R5.1 U1.63 U2.24 | length 1217.1
  Top Layer w6: R5.1@3450.47,2708 3450.47,2637.53 v1@3486.54,2601.46 ; v1(3495,2601.46) 3519.96,2576.5 U1.63@3662.76,2576.5
  Bottom Layer w6: v1@3486.54,2601.46 v1(3495,2601.46) 3518.92,2625.38 3518.92,2729.92 3597,2808 3837.47,2808 3906.48,2877.01 3974,2877.01 3993.82,2896.83 4005.83,2896.83 4058.1,2949.1 4101.52,2949.1 4138.58,2986.16 U2.24@4138.58,3031.07
EMI_D00: U1.41 U2.2 | length 222.7
  Top Layer w6: v1(3550,2938) 3565.04,2922.96 U1.41@3662.76,2922.96
  Bottom Layer w6: v1(3550,2938) 3575.59,2963.59 U2.2@3575.59,3031.07
EMI_D01: U1.43 U2.4 | length 277.6
  Top Layer w6: v1(3560,2897.54) 3579.54,2878 3607,2878 3620.46,2891.46 U1.43@3662.76,2891.46
  Bottom Layer w6: v1(3560,2897.54) 3626.77,2964.32 U2.4@3626.77,3031.07
EMI_D02: U1.42 U2.5 | length 236.3
  Top Layer w6: v1@3588.43,2901.43 3594.21,2907.21 U1.42@3662.76,2907.21
  Bottom Layer w6: v1@3588.43,2901.43 3589,2902 v1(3594,2902) 3653,2961 3653,3030.43 U2.5@3652.36,3031.07
EMI_D03: U1.44 U2.7 | length 222.2
  Top Layer w6: U1.44@3662.76,2875.72 3717.72,2875.72 v1(3725,2883)
  Bottom Layer w6: U2.7@3703.54,3031.07 3703.54,2909.46 3725,2888 v1(3725,2883)
EMI_D04: U1.47 U2.8 | length 296.5
  Top Layer w6: U1.47@3662.76,2828.47 3739.53,2828.47 3755,2843.95 v1(3755,2893)
  Bottom Layer w6: U2.8@3729.13,3031.07 3729.13,2918.87 v1(3755,2893)
EMI_D05: U1.48 U2.10 | length 315.1
  Top Layer w6: U1.48@3662.76,2812.72 3744.72,2812.72 3780,2848 v1(3780,2873)
  Bottom Layer w6: v1(3780,2873) 3780,3030.76 U2.10@3780.32,3031.07
EMI_D06: U1.49 U2.11 | length 353.6
  Top Layer w6: U1.49@3662.76,2796.98 3756.11,2796.98 3812.54,2853.41 v1(3812.54,2885.46)
  Bottom Layer w6: U2.11@3805.91,3031.07 3805.91,2892.09 v1(3812.54,2885.46)
EMI_D07: U1.50 U2.13 | length 389.2
  Top Layer w6: U1.50@3662.76,2781.23 3763.23,2781.23 3849.77,2867.77 v1(3849.77,2913.23)
  Bottom Layer w6: v1(3849.77,2913.23) 3849.77,2992.18 3857.09,2999.49 U2.13@3857.09,3031.07
EMI_D08: U1.51 U2.54 | length 368.6
  Top Layer w6: U1.51@3662.76,2765.48 3769.52,2765.48 v1(3784,2751)
  Bottom Layer w6: v1@3776,2753.96 3776,2714.46 3759.72,2698.18 3759.72,2677.82 3771.08,2666.46 3836.54,2666.46 3857.09,2645.91 U2.54@3857.09,2598
EMI_D09: U1.52 U2.56 | length 282.3
  Top Layer w6: U1.52@3662.76,2749.73 3748.27,2749.73 v1(3755,2743)
  Bottom Layer w6: v1(3755,2743) 3748,2736 3748,2668.72 3764.98,2651.74 3791.26,2651.74 3805.91,2637.09 U2.56@3805.91,2598
EMI_D10: U1.54 U2.57 | length 217.5
  Top Layer w10: U1.54@3662.76,2718.24 3724.76,2718.24 3727,2716 v1(3727,2714)
  Bottom Layer w10: v1@3724.76,2718.24 3729.02,2713.98 3729.02,2666.88 3758.88,2637.02 3770.98,2637.02 3780.32,2627.68 U2.57@3780.32,2598
EMI_D11: U1.55 U2.59 | length 280.2
  Top Layer w6: v1(3600,2723) 3620.51,2702.49 U1.55@3662.76,2702.49
  Bottom Layer w6: v1(3600,2723) 3652.07,2723 3729.13,2645.94 U2.59@3729.13,2598
EMI_D12: U1.57 U2.60 | length 221.5
  Top Layer w6: v1(3605,2689) 3609,2689 3614.73,2683.27 3614.73,2678.63 3622.36,2670.99 U1.57@3662.76,2670.99
  Bottom Layer w6: v1@3603,2691 v1(3605,2689) ; v1@3611,2687 3651,2687 3703.54,2634.46 U2.60@3703.54,2598
EMI_D13: U1.58 U2.62 | length 250.9
  Top Layer w6: v1@3570,2695 3609.76,2655.24 U1.58@3662.76,2655.24
  Bottom Layer w6: v1@3570,2695 3607,2658 3625,2658 3652.36,2630.64 U2.62@3652.36,2598
  other v1: 3574,2691
EMI_D14: U1.60 U2.63 | length 196.8
  Top Layer w6: v1(3570,2648) 3594.25,2623.75 U1.60@3662.76,2623.75
  Bottom Layer w6: v1(3570,2648) 3571.72,2646.28 3606.72,2646.28 3626.77,2626.23 U2.63@3626.77,2598
EMI_D15: U1.59 U2.65 | length 223.5
  Top Layer w6: v1@3540,2668.46 3578.86,2668.46 3607.82,2639.5 U1.59@3662.76,2639.5
  Bottom Layer w6: v1@3540,2672 3540,2648.23 3575.59,2612.64 U2.65@3575.59,2598
  other v1: 3549,2668.46
EMI_DQM0: U1.46 U2.20 | length 486.5
  Top Layer w6: U1.46@3662.76,2844.22 3726.22,2844.22 v1@3730,2848
  Bottom Layer w6: v1(3724,2854) 3730,2848 3815,2848 3901.72,2934.72 3901.72,2950 3930.94,2979.22 4015.44,2979.22 4036.22,3000 U2.20@4036.22,3031.07
EMI_DQM1: U1.56 U2.47 | length 999.9
  Top Layer w6: v1(3639,2528) 3639,2524 3640,2523 3682.84,2523 3720,2560.16 3720,2671.4 3704.66,2686.74 U1.56@3662.76,2686.74
  Bottom Layer w6: v1@3637,2530 v1(3639,2528) ; v1@3640,2523 3608,2491 3608,2459.96 3631.96,2436 3663.02,2436 3721.84,2377.18 3970.98,2377.18 3983.08,2389.29 3983.08,2434.34 4036.22,2487.48 U2.47@4036.22,2598
EMI_DQS0: U1.39 U2.16 | length 321.2
  Top Layer w6: U1.39@3662.76,2954.46 3851.04,2954.46 v1(3876.04,2979.46)
  Bottom Layer w6: v1(3876.04,2979.46) 3877.36,2980.77 3914.86,2980.77 3933.86,2999.77 U2.16@3933.86,3031.07
EMI_DQS1: U1.40 U2.51 | length 704.1
  Top Layer w6: U1.40@3662.76,2938.71 3892.44,2938.71 3949.56,2881.59 4002.41,2881.59 4025,2859 4025,2840 4012.01,2827.01 4012.01,2809.21 4008.83,2806.03 4008.83,2691.83 v1(3981.5,2664.5)
  Bottom Layer w6: U2.51@3933.86,2598 3933.86,2634 3964.36,2664.5 v1(3981.5,2664.5)
EMI_RASN: U1.62 U2.23 | length 1044.9
  Top Layer w6: v1(3498.88,2637.96) 3500,2639.08 3500,2643 3550.75,2592.25 U1.62@3662.76,2592.25
  Bottom Layer w6: v1@3497,2636.08 v1(3498.88,2637.96) ; v1@3500,2643 3500,2702 3508.92,2710.92 3508.92,2734.06 3592.86,2818 3826.65,2818 3897.38,2888.74 3960.55,2888.74 4010.7,2938.89 4031.31,2938.89 4053.25,2960.83 4095.8,2960.83 4112.99,2978.02 U2.23@4112.99,3031.07
EMI_WEN: U1.77 U2.21 | length 749.5
  Top Layer w6: U1.77@3910.79,2501.7 3910.79,2564.79 3991.79,2645.79 3991.79,2646.46 4003.53,2658.19 4004.19,2658.19 4020.55,2674.55 4020.55,2801.18 4023.73,2804.36 4023.73,2818.73 4038,2833 4038,2866 4010.49,2893.51 3977.49,2893.51 v1(3926,2945)
  Bottom Layer w6: v1(3926,2945) 3946,2965 4023,2965 4061.81,3003.81 U2.21@4061.81,3031.07